# Allegro board LED_FIN.brd (continued)
## Routing (per net, layer and track width the routed paths; a pad name or vN(x,y) marks a point on that pad's centre or on a via; arc(x,y) is an arc through that point) (continued)
ROW_OUT_C4: length 240
  TOP w0.6: D13560.3 D13559.3 D13558.3 D13557.3 D13556.3 D13555.3 D13554.3 D13553.3 D13552.3 D13551.3 D13550.3 D13549.3 D13548.3 D13547.3 D13546.3 D13545.3 D13544.3 D13543.3 D13542.3 D13541.3 D13540.3 D13539.3 D13538.3 D13537.3 D13536.3 D13535.3 D13534.3 D13533.3 D13532.3 D13531.3 D12420.3 D12419.3 D12418.3 D12417.3 D12416.3 D12415.3 D12414.3 D12413.3 D12412.3 D12411.3 D12410.3 D12409.3 D12408.3 D12407.3 D12406.3 D12405.3 D12404.3 D12403.3 D12402.3 D12401.3 D12400.3 D12399.3 D12398.3 D12397.3 D12396.3 D12395.3 D12394.3 D12393.3 D12392.3 D12391.3 D11280.3 D11279.3 D11278.3 D11277.3 D11276.3 D11275.3 D11274.3 D11273.3 D11272.3 D11271.3 D11270.3 D11269.3 D11268.3 D11267.3 D11266.3 D11265.3 D11264.3 D11263.3 D11262.3 D11261.3 D11260.3 D11259.3 D11258.3 D11257.3 D11256.3 D11255.3 D11254.3 D11253.3 D11252.3 D11251.3 D10140.3 D10139.3 D10138.3 D10137.3 D10136.3 D10135.3 D10134.3 D10133.3 D10132.3 D10131.3 D10130.3 D10129.3 D10128.3 D10127.3 D10126.3 D10125.3 D10124.3 D10123.3 D10122.3 D10121.3 D10120.3 D10119.3 D10118.3 D10117.3 D10116.3 D10115.3 D10114.3 D10113.3 D10112.3 D10111.3 38.35,175.7 U82.1
ROW_OUT_C5: length 240
  TOP w0.6: U81.1 38.35,177.7 D10081.3 D10082.3 D10083.3 D10084.3 D10085.3 D10086.3 D10087.3 D10088.3 D10089.3 D10090.3 D10091.3 D10092.3 D10093.3 D10094.3 D10095.3 D10096.3 D10097.3 D10098.3 D10099.3 D10100.3 D10101.3 D10102.3 D10103.3 D10104.3 D10105.3 D10106.3 D10107.3 D10108.3 D10109.3 D10110.3 D11221.3 D11222.3 D11223.3 D11224.3 D11225.3 D11226.3 D11227.3 D11228.3 D11229.3 D11230.3 D11231.3 D11232.3 D11233.3 D11234.3 D11235.3 D11236.3 D11237.3 D11238.3 D11239.3 D11240.3 D11241.3 D11242.3 D11243.3 D11244.3 D11245.3 D11246.3 D11247.3 D11248.3 D11249.3 D11250.3 D12361.3 D12362.3 D12363.3 D12364.3 D12365.3 D12366.3 D12367.3 D12368.3 D12369.3 D12370.3 D12371.3 D12372.3 D12373.3 D12374.3 D12375.3 D12376.3 D12377.3 D12378.3 D12379.3 D12380.3 D12381.3 D12382.3 D12383.3 D12384.3 D12385.3 D12386.3 D12387.3 D12388.3 D12389.3 D12390.3 D13501.3 D13502.3 D13503.3 D13504.3 D13505.3 D13506.3 D13507.3 D13508.3 D13509.3 D13510.3 D13511.3 D13512.3 D13513.3 D13514.3 D13515.3 D13516.3 D13517.3 D13518.3 D13519.3 D13520.3 D13521.3 D13522.3 D13523.3 D13524.3 D13525.3 D13526.3 D13527.3 D13528.3 D13529.3 D13530.3
ROW_OUT_C6: length 240
  TOP w0.6: D13500.3 D13499.3 D13498.3 D13497.3 D13496.3 D13495.3 D13494.3 D13493.3 D13492.3 D13491.3 D13490.3 D13489.3 D13488.3 D13487.3 D13486.3 D13485.3 D13484.3 D13483.3 D13482.3 D13481.3 D13480.3 D13479.3 D13478.3 D13477.3 D13476.3 D13475.3 D13474.3 D13473.3 D13472.3 D13471.3 D12360.3 D12359.3 D12358.3 D12357.3 D12356.3 D12355.3 D12354.3 D12353.3 D12352.3 D12351.3 D12350.3 D12349.3 D12348.3 D12347.3 D12346.3 D12345.3 D12344.3 D12343.3 D12342.3 D12341.3 D12340.3 D12339.3 D12338.3 D12337.3 D12336.3 D12335.3 D12334.3 D12333.3 D12332.3 D12331.3 D11220.3 D11219.3 D11218.3 D11217.3 D11216.3 D11215.3 D11214.3 D11213.3 D11212.3 D11211.3 D11210.3 D11209.3 D11208.3 D11207.3 D11206.3 D11205.3 D11204.3 D11203.3 D11202.3 D11201.3 D11200.3 D11199.3 D11198.3 D11197.3 D11196.3 D11195.3 D11194.3 D11193.3 D11192.3 D11191.3 D10080.3 D10079.3 D10078.3 D10077.3 D10076.3 D10075.3 D10074.3 D10073.3 D10072.3 D10071.3 D10070.3 D10069.3 D10068.3 D10067.3 D10066.3 D10065.3 D10064.3 D10063.3 D10062.3 D10061.3 D10060.3 D10059.3 D10058.3 D10057.3 D10056.3 D10055.3 D10054.3 D10053.3 D10052.3 D10051.3 38.35,179.7 U80.1
ROW_OUT_C7: length 240
  TOP w0.6: U79.1 38.35,181.7 D10021.3 D10022.3 D10023.3 D10024.3 D10025.3 D10026.3 D10027.3 D10028.3 D10029.3 D10030.3 D10031.3 D10032.3 D10033.3 D10034.3 D10035.3 D10036.3 D10037.3 D10038.3 D10039.3 D10040.3 D10041.3 D10042.3 D10043.3 D10044.3 D10045.3 D10046.3 D10047.3 D10048.3 D10049.3 D10050.3 D11161.3 D11162.3 D11163.3 D11164.3 D11165.3 D11166.3 D11167.3 D11168.3 D11169.3 D11170.3 D11171.3 D11172.3 D11173.3 D11174.3 D11175.3 D11176.3 D11177.3 D11178.3 D11179.3 D11180.3 D11181.3 D11182.3 D11183.3 D11184.3 D11185.3 D11186.3 D11187.3 D11188.3 D11189.3 D11190.3 D12301.3 D12302.3 D12303.3 D12304.3 D12305.3 D12306.3 D12307.3 D12308.3 D12309.3 D12310.3 D12311.3 D12312.3 D12313.3 D12314.3 D12315.3 D12316.3 D12317.3 D12318.3 D12319.3 D12320.3 D12321.3 D12322.3 D12323.3 D12324.3 D12325.3 D12326.3 D12327.3 D12328.3 D12329.3 D12330.3 D13441.3 D13442.3 D13443.3 D13444.3 D13445.3 D13446.3 D13447.3 D13448.3 D13449.3 D13450.3 D13451.3 D13452.3 D13453.3 D13454.3 D13455.3 D13456.3 D13457.3 D13458.3 D13459.3 D13460.3 D13461.3 D13462.3 D13463.3 D13464.3 D13465.3 D13466.3 D13467.3 D13468.3 D13469.3 D13470.3
ROW_OUT_C8: length 240
  TOP w0.6: U78.1 38.35,183.7 D9991.3 D9992.3 D9993.3 D9994.3 D9995.3 D9996.3 D9997.3 D9998.3 D9999.3 D10000.3 D10001.3 D10002.3 D10003.3 D10004.3 D10005.3 D10006.3 D10007.3 D10008.3 D10009.3 D10010.3 D10011.3 D10012.3 D10013.3 D10014.3 D10015.3 D10016.3 D10017.3 D10018.3 D10019.3 D10020.3 D11131.3 D11132.3 D11133.3 D11134.3 D11135.3 D11136.3 D11137.3 D11138.3 D11139.3 D11140.3 D11141.3 D11142.3 D11143.3 D11144.3 D11145.3 D11146.3 D11147.3 D11148.3 D11149.3 D11150.3 D11151.3 D11152.3 D11153.3 D11154.3 D11155.3 D11156.3 D11157.3 D11158.3 D11159.3 D11160.3 D12271.3 D12272.3 D12273.3 D12274.3 D12275.3 D12276.3 D12277.3 D12278.3 D12279.3 D12280.3 D12281.3 D12282.3 D12283.3 D12284.3 D12285.3 D12286.3 D12287.3 D12288.3 D12289.3 D12290.3 D12291.3 D12292.3 D12293.3 D12294.3 D12295.3 D12296.3 D12297.3 D12298.3 D12299.3 D12300.3 D13411.3 D13412.3 D13413.3 D13414.3 D13415.3 D13416.3 D13417.3 D13418.3 D13419.3 D13420.3 D13421.3 D13422.3 D13423.3 D13424.3 D13425.3 D13426.3 D13427.3 D13428.3 D13429.3 D13430.3 D13431.3 D13432.3 D13433.3 D13434.3 D13435.3 D13436.3 D13437.3 D13438.3 D13439.3 D13440.3
ROW_OUT_C9: length 240
  TOP w0.6: D13410.3 D13409.3 D13408.3 D13407.3 D13406.3 D13405.3 D13404.3 D13403.3 D13402.3 D13401.3 D13400.3 D13399.3 D13398.3 D13397.3 D13396.3 D13395.3 D13394.3 D13393.3 D13392.3 D13391.3 D13390.3 D13389.3 D13388.3 D13387.3 D13386.3 D13385.3 D13384.3 D13383.3 D13382.3 D13381.3 D12270.3 D12269.3 D12268.3 D12267.3 D12266.3 D12265.3 D12264.3 D12263.3 D12262.3 D12261.3 D12260.3 D12259.3 D12258.3 D12257.3 D12256.3 D12255.3 D12254.3 D12253.3 D12252.3 D12251.3 D12250.3 D12249.3 D12248.3 D12247.3 D12246.3 D12245.3 D12244.3 D12243.3 D12242.3 D12241.3 D11130.3 D11129.3 D11128.3 D11127.3 D11126.3 D11125.3 D11124.3 D11123.3 D11122.3 D11121.3 D11120.3 D11119.3 D11118.3 D11117.3 D11116.3 D11115.3 D11114.3 D11113.3 D11112.3 D11111.3 D11110.3 D11109.3 D11108.3 D11107.3 D11106.3 D11105.3 D11104.3 D11103.3 D11102.3 D11101.3 D9990.3 D9989.3 D9988.3 D9987.3 D9986.3 D9985.3 D9984.3 D9983.3 D9982.3 D9981.3 D9980.3 D9979.3 D9978.3 D9977.3 D9976.3 D9975.3 D9974.3 D9973.3 D9972.3 D9971.3 D9970.3 D9969.3 D9968.3 D9967.3 D9966.3 D9965.3 D9964.3 D9963.3 D9962.3 D9961.3 38.35,185.7 U77.1
ROW_OUT_C10: length 240
  TOP w0.6: U114.1 38.35,187.7 D9931.3 D9932.3 D9933.3 D9934.3 D9935.3 D9936.3 D9937.3 D9938.3 D9939.3 D9940.3 D9941.3 D9942.3 D9943.3 D9944.3 D9945.3 D9946.3 D9947.3 D9948.3 D9949.3 D9950.3 D9951.3 D9952.3 D9953.3 D9954.3 D9955.3 D9956.3 D9957.3 D9958.3 D9959.3 D9960.3 D11071.3 D11072.3 D11073.3 D11074.3 D11075.3 D11076.3 D11077.3 D11078.3 D11079.3 D11080.3 D11081.3 D11082.3 D11083.3 D11084.3 D11085.3 D11086.3 D11087.3 D11088.3 D11089.3 D11090.3 D11091.3 D11092.3 D11093.3 D11094.3 D11095.3 D11096.3 D11097.3 D11098.3 D11099.3 D11100.3 D12211.3 D12212.3 D12213.3 D12214.3 D12215.3 D12216.3 D12217.3 D12218.3 D12219.3 D12220.3 D12221.3 D12222.3 D12223.3 D12224.3 D12225.3 D12226.3 D12227.3 D12228.3 D12229.3 D12230.3 D12231.3 D12232.3 D12233.3 D12234.3 D12235.3 D12236.3 D12237.3 D12238.3 D12239.3 D12240.3 D13351.3 D13352.3 D13353.3 D13354.3 D13355.3 D13356.3 D13357.3 D13358.3 D13359.3 D13360.3 D13361.3 D13362.3 D13363.3 D13364.3 D13365.3 D13366.3 D13367.3 D13368.3 D13369.3 D13370.3 D13371.3 D13372.3 D13373.3 D13374.3 D13375.3 D13376.3 D13377.3 D13378.3 D13379.3 D13380.3
ROW_OUT_C11: length 240
  TOP w0.6: D13350.3 D13349.3 D13348.3 D13347.3 D13346.3 D13345.3 D13344.3 D13343.3 D13342.3 D13341.3 D13340.3 D13339.3 D13338.3 D13337.3 D13336.3 D13335.3 D13334.3 D13333.3 D13332.3 D13331.3 D13330.3 D13329.3 D13328.3 D13327.3 D13326.3 D13325.3 D13324.3 D13323.3 D13322.3 D13321.3 D12210.3 D12209.3 D12208.3 D12207.3 D12206.3 D12205.3 D12204.3 D12203.3 D12202.3 D12201.3 D12200.3 D12199.3 D12198.3 D12197.3 D12196.3 D12195.3 D12194.3 D12193.3 D12192.3 D12191.3 D12190.3 D12189.3 D12188.3 D12187.3 D12186.3 D12185.3 D12184.3 D12183.3 D12182.3 D12181.3 D11070.3 D11069.3 D11068.3 D11067.3 D11066.3 D11065.3 D11064.3 D11063.3 D11062.3 D11061.3 D11060.3 D11059.3 D11058.3 D11057.3 D11056.3 D11055.3 D11054.3 D11053.3 D11052.3 D11051.3 D11050.3 D11049.3 D11048.3 D11047.3 D11046.3 D11045.3 D11044.3 D11043.3 D11042.3 D11041.3 D9930.3 D9929.3 D9928.3 D9927.3 D9926.3 D9925.3 D9924.3 D9923.3 D9922.3 D9921.3 D9920.3 D9919.3 D9918.3 D9917.3 D9916.3 D9915.3 D9914.3 D9913.3 D9912.3 D9911.3 D9910.3 D9909.3 D9908.3 D9907.3 D9906.3 D9905.3 D9904.3 D9903.3 D9902.3 D9901.3 38.35,189.7 U113.1
ROW_OUT_C12: length 240
  TOP w0.6: U112.1 38.35,191.7 D9871.3 D9872.3 D9873.3 D9874.3 D9875.3 D9876.3 D9877.3 D9878.3 D9879.3 D9880.3 D9881.3 D9882.3 D9883.3 D9884.3 D9885.3 D9886.3 D9887.3 D9888.3 D9889.3 D9890.3 D9891.3 D9892.3 D9893.3 D9894.3 D9895.3 D9896.3 D9897.3 D9898.3 D9899.3 D9900.3 D11011.3 D11012.3 D11013.3 D11014.3 D11015.3 D11016.3 D11017.3 D11018.3 D11019.3 D11020.3 D11021.3 D11022.3 D11023.3 D11024.3 D11025.3 D11026.3 D11027.3 D11028.3 D11029.3 D11030.3 D11031.3 D11032.3 D11033.3 D11034.3 D11035.3 D11036.3 D11037.3 D11038.3 D11039.3 D11040.3 D12151.3 D12152.3 D12153.3 D12154.3 D12155.3 D12156.3 D12157.3 D12158.3 D12159.3 D12160.3 D12161.3 D12162.3 D12163.3 D12164.3 D12165.3 D12166.3 D12167.3 D12168.3 D12169.3 D12170.3 D12171.3 D12172.3 D12173.3 D12174.3 D12175.3 D12176.3 D12177.3 D12178.3 D12179.3 D12180.3 D13291.3 D13292.3 D13293.3 D13294.3 D13295.3 D13296.3 D13297.3 D13298.3 D13299.3 D13300.3 D13301.3 D13302.3 D13303.3 D13304.3 D13305.3 D13306.3 D13307.3 D13308.3 D13309.3 D13310.3 D13311.3 D13312.3 D13313.3 D13314.3 D13315.3 D13316.3 D13317.3 D13318.3 D13319.3 D13320.3
ROW_OUT_C13: length 240
  TOP w0.6: U111.1 38.35,193.7 D9841.3 D9842.3 D9843.3 D9844.3 D9845.3 D9846.3 D9847.3 D9848.3 D9849.3 D9850.3 D9851.3 D9852.3 D9853.3 D9854.3 D9855.3 D9856.3 D9857.3 D9858.3 D9859.3 D9860.3 D9861.3 D9862.3 D9863.3 D9864.3 D9865.3 D9866.3 D9867.3 D9868.3 D9869.3 D9870.3 D10981.3 D10982.3 D10983.3 D10984.3 D10985.3 D10986.3 D10987.3 D10988.3 D10989.3 D10990.3 D10991.3 D10992.3 D10993.3 D10994.3 D10995.3 D10996.3 D10997.3 D10998.3 D10999.3 D11000.3 D11001.3 D11002.3 D11003.3 D11004.3 D11005.3 D11006.3 D11007.3 D11008.3 D11009.3 D11010.3 D12121.3 D12122.3 D12123.3 D12124.3 D12125.3 D12126.3 D12127.3 D12128.3 D12129.3 D12130.3 D12131.3 D12132.3 D12133.3 D12134.3 D12135.3 D12136.3 D12137.3 D12138.3 D12139.3 D12140.3 D12141.3 D12142.3 D12143.3 D12144.3 D12145.3 D12146.3 D12147.3 D12148.3 D12149.3 D12150.3 D13261.3 D13262.3 D13263.3 D13264.3 D13265.3 D13266.3 D13267.3 D13268.3 D13269.3 D13270.3 D13271.3 D13272.3 D13273.3 D13274.3 D13275.3 D13276.3 D13277.3 D13278.3 D13279.3 D13280.3 D13281.3 D13282.3 D13283.3 D13284.3 D13285.3 D13286.3 D13287.3 D13288.3 D13289.3 D13290.3
ROW_OUT_C14: length 240
  TOP w0.6: U110.1 38.35,195.7 D9811.3 D9812.3 D9813.3 D9814.3 D9815.3 D9816.3 D9817.3 D9818.3 D9819.3 D9820.3 D9821.3 D9822.3 D9823.3 D9824.3 D9825.3 D9826.3 D9827.3 D9828.3 D9829.3 D9830.3 D9831.3 D9832.3 D9833.3 D9834.3 D9835.3 D9836.3 D9837.3 D9838.3 D9839.3 D9840.3 D10951.3 D10952.3 D10953.3 D10954.3 D10955.3 D10956.3 D10957.3 D10958.3 D10959.3 D10960.3 D10961.3 D10962.3 D10963.3 D10964.3 D10965.3 D10966.3 D10967.3 D10968.3 D10969.3 D10970.3 D10971.3 D10972.3 D10973.3 D10974.3 D10975.3 D10976.3 D10977.3 D10978.3 D10979.3 D10980.3 D12091.3 D12092.3 D12093.3 D12094.3 D12095.3 D12096.3 D12097.3 D12098.3 D12099.3 D12100.3 D12101.3 D12102.3 D12103.3 D12104.3 D12105.3 D12106.3 D12107.3 D12108.3 D12109.3 D12110.3 D12111.3 D12112.3 D12113.3 D12114.3 D12115.3 D12116.3 D12117.3 D12118.3 D12119.3 D12120.3 D13231.3 D13232.3 D13233.3 D13234.3 D13235.3 D13236.3 D13237.3 D13238.3 D13239.3 D13240.3 D13241.3 D13242.3 D13243.3 D13244.3 D13245.3 D13246.3 D13247.3 D13248.3 D13249.3 D13250.3 D13251.3 D13252.3 D13253.3 D13254.3 D13255.3 D13256.3 D13257.3 D13258.3 D13259.3 D13260.3
ROW_OUT_C15: length 240
  TOP w0.6: U109.1 38.35,197.7 D9781.3 D9782.3 D9783.3 D9784.3 D9785.3 D9786.3 D9787.3 D9788.3 D9789.3 D9790.3 D9791.3 D9792.3 D9793.3 D9794.3 D9795.3 D9796.3 D9797.3 D9798.3 D9799.3 D9800.3 D9801.3 D9802.3 D9803.3 D9804.3 D9805.3 D9806.3 D9807.3 D9808.3 D9809.3 D9810.3 D10921.3 D10922.3 D10923.3 D10924.3 D10925.3 D10926.3 D10927.3 D10928.3 D10929.3 D10930.3 D10931.3 D10932.3 D10933.3 D10934.3 D10935.3 D10936.3 D10937.3 D10938.3 D10939.3 D10940.3 D10941.3 D10942.3 D10943.3 D10944.3 D10945.3 D10946.3 D10947.3 D10948.3 D10949.3 D10950.3 D12061.3 D12062.3 D12063.3 D12064.3 D12065.3 D12066.3 D12067.3 D12068.3 D12069.3 D12070.3 D12071.3 D12072.3 D12073.3 D12074.3 D12075.3 D12076.3 D12077.3 D12078.3 D12079.3 D12080.3 D12081.3 D12082.3 D12083.3 D12084.3 D12085.3 D12086.3 D12087.3 D12088.3 D12089.3 D12090.3 D13201.3 D13202.3 D13203.3 D13204.3 D13205.3 D13206.3 D13207.3 D13208.3 D13209.3 D13210.3 D13211.3 D13212.3 D13213.3 D13214.3 D13215.3 D13216.3 D13217.3 D13218.3 D13219.3 D13220.3 D13221.3 D13222.3 D13223.3 D13224.3 D13225.3 D13226.3 D13227.3 D13228.3 D13229.3 D13230.3
ROW_OUT_C16: length 240
  TOP w0.6: D13200.3 D13199.3 D13198.3 D13197.3 D13196.3 D13195.3 D13194.3 D13193.3 D13192.3 D13191.3 D13190.3 D13189.3 D13188.3 D13187.3 D13186.3 D13185.3 D13184.3 D13183.3 D13182.3 D13181.3 D13180.3 D13179.3 D13178.3 D13177.3 D13176.3 D13175.3 D13174.3 D13173.3 D13172.3 D13171.3 D12060.3 D12059.3 D12058.3 D12057.3 D12056.3 D12055.3 D12054.3 D12053.3 D12052.3 D12051.3 D12050.3 D12049.3 D12048.3 D12047.3 D12046.3 D12045.3 D12044.3 D12043.3 D12042.3 D12041.3 D12040.3 D12039.3 D12038.3 D12037.3 D12036.3 D12035.3 D12034.3 D12033.3 D12032.3 D12031.3 D10920.3 D10919.3 D10918.3 D10917.3 D10916.3 D10915.3 D10914.3 D10913.3 D10912.3 D10911.3 D10910.3 D10909.3 D10908.3 D10907.3 D10906.3 D10905.3 D10904.3 D10903.3 D10902.3 D10901.3 D10900.3 D10899.3 D10898.3 D10897.3 D10896.3 D10895.3 D10894.3 D10893.3 D10892.3 D10891.3 D9780.3 D9779.3 D9778.3 D9777.3 D9776.3 D9775.3 D9774.3 D9773.3 D9772.3 D9771.3 D9770.3 D9769.3 D9768.3 D9767.3 D9766.3 D9765.3 D9764.3 D9763.3 D9762.3 D9761.3 D9760.3 D9759.3 D9758.3 D9757.3 D9756.3 D9755.3 D9754.3 D9753.3 D9752.3 D9751.3 38.35,199.7 U108.1
ROW_OUT_C17: length 240
  TOP w0.6: U107.1 38.35,201.7 D9721.3 D9722.3 D9723.3 D9724.3 D9725.3 D9726.3 D9727.3 D9728.3 D9729.3 D9730.3 D9731.3 D9732.3 D9733.3 D9734.3 D9735.3 D9736.3 D9737.3 D9738.3 D9739.3 D9740.3 D9741.3 D9742.3 D9743.3 D9744.3 D9745.3 D9746.3 D9747.3 D9748.3 D9749.3 D9750.3 D10861.3 D10862.3 D10863.3 D10864.3 D10865.3 D10866.3 D10867.3 D10868.3 D10869.3 D10870.3 D10871.3 D10872.3 D10873.3 D10874.3 D10875.3 D10876.3 D10877.3 D10878.3 D10879.3 D10880.3 D10881.3 D10882.3 D10883.3 D10884.3 D10885.3 D10886.3 D10887.3 D10888.3 D10889.3 D10890.3 D12001.3 D12002.3 D12003.3 D12004.3 D12005.3 D12006.3 D12007.3 D12008.3 D12009.3 D12010.3 D12011.3 D12012.3 D12013.3 D12014.3 D12015.3 D12016.3 D12017.3 D12018.3 D12019.3 D12020.3 D12021.3 D12022.3 D12023.3 D12024.3 D12025.3 D12026.3 D12027.3 D12028.3 D12029.3 D12030.3 D13141.3 D13142.3 D13143.3 D13144.3 D13145.3 D13146.3 D13147.3 D13148.3 D13149.3 D13150.3 D13151.3 D13152.3 D13153.3 D13154.3 D13155.3 D13156.3 D13157.3 D13158.3 D13159.3 D13160.3 D13161.3 D13162.3 D13163.3 D13164.3 D13165.3 D13166.3 D13167.3 D13168.3 D13169.3 D13170.3
ROW_OUT_C18: length 240
  TOP w0.6: D13140.3 D13139.3 D13138.3 D13137.3 D13136.3 D13135.3 D13134.3 D13133.3 D13132.3 D13131.3 D13130.3 D13129.3 D13128.3 D13127.3 D13126.3 D13125.3 D13124.3 D13123.3 D13122.3 D13121.3 D13120.3 D13119.3 D13118.3 D13117.3 D13116.3 D13115.3 D13114.3 D13113.3 D13112.3 D13111.3 D12000.3 D11999.3 D11998.3 D11997.3 D11996.3 D11995.3 D11994.3 D11993.3 D11992.3 D11991.3 D11990.3 D11989.3 D11988.3 D11987.3 D11986.3 D11985.3 D11984.3 D11983.3 D11982.3 D11981.3 D11980.3 D11979.3 D11978.3 D11977.3 D11976.3 D11975.3 D11974.3 D11973.3 D11972.3 D11971.3 D10860.3 D10859.3 D10858.3 D10857.3 D10856.3 D10855.3 D10854.3 D10853.3 D10852.3 D10851.3 D10850.3 D10849.3 D10848.3 D10847.3 D10846.3 D10845.3 D10844.3 D10843.3 D10842.3 D10841.3 D10840.3 D10839.3 D10838.3 D10837.3 D10836.3 D10835.3 D10834.3 D10833.3 D10832.3 D10831.3 D9720.3 D9719.3 D9718.3 D9717.3 D9716.3 D9715.3 D9714.3 D9713.3 D9712.3 D9711.3 D9710.3 D9709.3 D9708.3 D9707.3 D9706.3 D9705.3 D9704.3 D9703.3 D9702.3 D9701.3 D9700.3 D9699.3 D9698.3 D9697.3 D9696.3 D9695.3 D9694.3 D9693.3 D9692.3 D9691.3 38.35,203.7 U106.1
ROW_OUT_C19: length 240
  TOP w0.6: D9661.3 D9662.3 D9663.3 D9664.3 D9665.3 D9666.3 D9667.3 D9668.3 D9669.3 D9670.3 D9671.3 D9672.3 D9673.3 D9674.3 D9675.3 D9676.3 D9677.3 D9678.3 D9679.3 D9680.3 D9681.3 D9682.3 D9683.3 D9684.3 D9685.3 D9686.3 D9687.3 D9688.3 D9689.3 D9690.3 D10801.3 D10802.3 D10803.3 D10804.3 D10805.3 D10806.3 D10807.3 D10808.3 D10809.3 D10810.3 D10811.3 D10812.3 D10813.3 D10814.3 D10815.3 D10816.3 D10817.3 D10818.3 D10819.3 D10820.3 D10821.3 D10822.3 D10823.3 D10824.3 D10825.3 D10826.3 D10827.3 D10828.3 D10829.3 D10830.3 D11941.3 D11942.3 D11943.3 D11944.3 D11945.3 D11946.3 D11947.3 D11948.3 D11949.3 D11950.3 D11951.3 D11952.3 D11953.3 D11954.3 D11955.3 D11956.3 D11957.3 D11958.3 D11959.3 D11960.3 D11961.3 D11962.3 D11963.3 D11964.3 D11965.3 D11966.3 D11967.3 D11968.3 D11969.3 D11970.3 D13081.3 D13082.3 D13083.3 D13084.3 D13085.3 D13086.3 D13087.3 D13088.3 D13089.3 D13090.3 D13091.3 D13092.3 D13093.3 D13094.3 D13095.3 D13096.3 D13097.3 D13098.3 D13099.3 D13100.3 D13101.3 D13102.3 D13103.3 D13104.3 D13105.3 D13106.3 D13107.3 D13108.3 D13109.3 D13110.3 276.75,205.7 U105.1
ROW_OUT_C20: length 240
  TOP w0.6: D9631.3 D9632.3 D9633.3 D9634.3 D9635.3 D9636.3 D9637.3 D9638.3 D9639.3 D9640.3 D9641.3 D9642.3 D9643.3 D9644.3 D9645.3 D9646.3 D9647.3 D9648.3 D9649.3 D9650.3 D9651.3 D9652.3 D9653.3 D9654.3 D9655.3 D9656.3 D9657.3 D9658.3 D9659.3 D9660.3 D10771.3 D10772.3 D10773.3 D10774.3 D10775.3 D10776.3 D10777.3 D10778.3 D10779.3 D10780.3 D10781.3 D10782.3 D10783.3 D10784.3 D10785.3 D10786.3 D10787.3 D10788.3 D10789.3 D10790.3 D10791.3 D10792.3 D10793.3 D10794.3 D10795.3 D10796.3 D10797.3 D10798.3 D10799.3 D10800.3 D11911.3 D11912.3 D11913.3 D11914.3 D11915.3 D11916.3 D11917.3 D11918.3 D11919.3 D11920.3 D11921.3 D11922.3 D11923.3 D11924.3 D11925.3 D11926.3 D11927.3 D11928.3 D11929.3 D11930.3 D11931.3 D11932.3 D11933.3 D11934.3 D11935.3 D11936.3 D11937.3 D11938.3 D11939.3 D11940.3 D13051.3 D13052.3 D13053.3 D13054.3 D13055.3 D13056.3 D13057.3 D13058.3 D13059.3 D13060.3 D13061.3 D13062.3 D13063.3 D13064.3 D13065.3 D13066.3 D13067.3 D13068.3 D13069.3 D13070.3 D13071.3 D13072.3 D13073.3 D13074.3 D13075.3 D13076.3 D13077.3 D13078.3 D13079.3 D13080.3 276.75,207.7 U104.1
ROW_OUT_C21: length 240
  TOP w0.6: U103.1 276.75,209.7 D13050.3 D13049.3 D13048.3 D13047.3 D13046.3 D13045.3 D13044.3 D13043.3 D13042.3 D13041.3 D13040.3 D13039.3 D13038.3 D13037.3 D13036.3 D13035.3 D13034.3 D13033.3 D13032.3 D13031.3 D13030.3 D13029.3 D13028.3 D13027.3 D13026.3 D13025.3 D13024.3 D13023.3 D13022.3 D13021.3 D11910.3 D11909.3 D11908.3 D11907.3 D11906.3 D11905.3 D11904.3 D11903.3 D11902.3 D11901.3 D11900.3 D11899.3 D11898.3 D11897.3 D11896.3 D11895.3 D11894.3 D11893.3 D11892.3 D11891.3 D11890.3 D11889.3 D11888.3 D11887.3 D11886.3 D11885.3 D11884.3 D11883.3 D11882.3 D11881.3 D10770.3 D10769.3 D10768.3 D10767.3 D10766.3 D10765.3 D10764.3 D10763.3 D10762.3 D10761.3 D10760.3 D10759.3 D10758.3 D10757.3 D10756.3 D10755.3 D10754.3 D10753.3 D10752.3 D10751.3 D10750.3 D10749.3 D10748.3 D10747.3 D10746.3 D10745.3 D10744.3 D10743.3 D10742.3 D10741.3 D9630.3 D9629.3 D9628.3 D9627.3 D9626.3 D9625.3 D9624.3 D9623.3 D9622.3 D9621.3 D9620.3 D9619.3 D9618.3 D9617.3 D9616.3 D9615.3 D9614.3 D9613.3 D9612.3 D9611.3 D9610.3 D9609.3 D9608.3 D9607.3 D9606.3 D9605.3 D9604.3 D9603.3 D9602.3 D9601.3
ROW_OUT_C22: length 240
  TOP w0.6: D9571.3 D9572.3 D9573.3 D9574.3 D9575.3 D9576.3 D9577.3 D9578.3 D9579.3 D9580.3 D9581.3 D9582.3 D9583.3 D9584.3 D9585.3 D9586.3 D9587.3 D9588.3 D9589.3 D9590.3 D9591.3 D9592.3 D9593.3 D9594.3 D9595.3 D9596.3 D9597.3 D9598.3 D9599.3 D9600.3 D10711.3 D10712.3 D10713.3 D10714.3 D10715.3 D10716.3 D10717.3 D10718.3 D10719.3 D10720.3 D10721.3 D10722.3 D10723.3 D10724.3 D10725.3 D10726.3 D10727.3 D10728.3 D10729.3 D10730.3 D10731.3 D10732.3 D10733.3 D10734.3 D10735.3 D10736.3 D10737.3 D10738.3 D10739.3 D10740.3 D11851.3 D11852.3 D11853.3 D11854.3 D11855.3 D11856.3 D11857.3 D11858.3 D11859.3 D11860.3 D11861.3 D11862.3 D11863.3 D11864.3 D11865.3 D11866.3 D11867.3 D11868.3 D11869.3 D11870.3 D11871.3 D11872.3 D11873.3 D11874.3 D11875.3 D11876.3 D11877.3 D11878.3 D11879.3 D11880.3 D12991.3 D12992.3 D12993.3 D12994.3 D12995.3 D12996.3 D12997.3 D12998.3 D12999.3 D13000.3 D13001.3 D13002.3 D13003.3 D13004.3 D13005.3 D13006.3 D13007.3 D13008.3 D13009.3 D13010.3 D13011.3 D13012.3 D13013.3 D13014.3 D13015.3 D13016.3 D13017.3 D13018.3 D13019.3 D13020.3 276.75,211.7 U102.1
ROW_OUT_C23: length 240
  TOP w0.6: D9541.3 D9542.3 D9543.3 D9544.3 D9545.3 D9546.3 D9547.3 D9548.3 D9549.3 D9550.3 D9551.3 D9552.3 D9553.3 D9554.3 D9555.3 D9556.3 D9557.3 D9558.3 D9559.3 D9560.3 D9561.3 D9562.3 D9563.3 D9564.3 D9565.3 D9566.3 D9567.3 D9568.3 D9569.3 D9570.3 D10681.3 D10682.3 D10683.3 D10684.3 D10685.3 D10686.3 D10687.3 D10688.3 D10689.3 D10690.3 D10691.3 D10692.3 D10693.3 D10694.3 D10695.3 D10696.3 D10697.3 D10698.3 D10699.3 D10700.3 D10701.3 D10702.3 D10703.3 D10704.3 D10705.3 D10706.3 D10707.3 D10708.3 D10709.3 D10710.3 D11821.3 D11822.3 D11823.3 D11824.3 D11825.3 D11826.3 D11827.3 D11828.3 D11829.3 D11830.3 D11831.3 D11832.3 D11833.3 D11834.3 D11835.3 D11836.3 D11837.3 D11838.3 D11839.3 D11840.3 D11841.3 D11842.3 D11843.3 D11844.3 D11845.3 D11846.3 D11847.3 D11848.3 D11849.3 D11850.3 D12961.3 D12962.3 D12963.3 D12964.3 D12965.3 D12966.3 D12967.3 D12968.3 D12969.3 D12970.3 D12971.3 D12972.3 D12973.3 D12974.3 D12975.3 D12976.3 D12977.3 D12978.3 D12979.3 D12980.3 D12981.3 D12982.3 D12983.3 D12984.3 D12985.3 D12986.3 D12987.3 D12988.3 D12989.3 D12990.3 276.75,213.7 U101.1
ROW_OUT_C24: length 240
  TOP w0.6: U100.1 276.75,215.7 D12960.3 D12959.3 D12958.3 D12957.3 D12956.3 D12955.3 D12954.3 D12953.3 D12952.3 D12951.3 D12950.3 D12949.3 D12948.3 D12947.3 D12946.3 D12945.3 D12944.3 D12943.3 D12942.3 D12941.3 D12940.3 D12939.3 D12938.3 D12937.3 D12936.3 D12935.3 D12934.3 D12933.3 D12932.3 D12931.3 D11820.3 D11819.3 D11818.3 D11817.3 D11816.3 D11815.3 D11814.3 D11813.3 D11812.3 D11811.3 D11810.3 D11809.3 D11808.3 D11807.3 D11806.3 D11805.3 D11804.3 D11803.3 D11802.3 D11801.3 D11800.3 D11799.3 D11798.3 D11797.3 D11796.3 D11795.3 D11794.3 D11793.3 D11792.3 D11791.3 D10680.3 D10679.3 D10678.3 D10677.3 D10676.3 D10675.3 D10674.3 D10673.3 D10672.3 D10671.3 D10670.3 D10669.3 D10668.3 D10667.3 D10666.3 D10665.3 D10664.3 D10663.3 D10662.3 D10661.3 D10660.3 D10659.3 D10658.3 D10657.3 D10656.3 D10655.3 D10654.3 D10653.3 D10652.3 D10651.3 D9540.3 D9539.3 D9538.3 D9537.3 D9536.3 D9535.3 D9534.3 D9533.3 D9532.3 D9531.3 D9530.3 D9529.3 D9528.3 D9527.3 D9526.3 D9525.3 D9524.3 D9523.3 D9522.3 D9521.3 D9520.3 D9519.3 D9518.3 D9517.3 D9516.3 D9515.3 D9514.3 D9513.3 D9512.3 D9511.3
ROW_OUT_C25: length 240
  TOP w0.6: D9481.3 D9482.3 D9483.3 D9484.3 D9485.3 D9486.3 D9487.3 D9488.3 D9489.3 D9490.3 D9491.3 D9492.3 D9493.3 D9494.3 D9495.3 D9496.3 D9497.3 D9498.3 D9499.3 D9500.3 D9501.3 D9502.3 D9503.3 D9504.3 D9505.3 D9506.3 D9507.3 D9508.3 D9509.3 D9510.3 D10621.3 D10622.3 D10623.3 D10624.3 D10625.3 D10626.3 D10627.3 D10628.3 D10629.3 D10630.3 D10631.3 D10632.3 D10633.3 D10634.3 D10635.3 D10636.3 D10637.3 D10638.3 D10639.3 D10640.3 D10641.3 D10642.3 D10643.3 D10644.3 D10645.3 D10646.3 D10647.3 D10648.3 D10649.3 D10650.3 D11761.3 D11762.3 D11763.3 D11764.3 D11765.3 D11766.3 D11767.3 D11768.3 D11769.3 D11770.3 D11771.3 D11772.3 D11773.3 D11774.3 D11775.3 D11776.3 D11777.3 D11778.3 D11779.3 D11780.3 D11781.3 D11782.3 D11783.3 D11784.3 D11785.3 D11786.3 D11787.3 D11788.3 D11789.3 D11790.3 D12901.3 D12902.3 D12903.3 D12904.3 D12905.3 D12906.3 D12907.3 D12908.3 D12909.3 D12910.3 D12911.3 D12912.3 D12913.3 D12914.3 D12915.3 D12916.3 D12917.3 D12918.3 D12919.3 D12920.3 D12921.3 D12922.3 D12923.3 D12924.3 D12925.3 D12926.3 D12927.3 D12928.3 D12929.3 D12930.3 276.75,217.7 U99.1
